# Altium PCB FMC_ADC_128CH_10B.PcbDoc (part 7 of 14)
Units mm, origin at the board's own origin, x right, y up, seen from the top; angles counter-clockwise.
Board outline 76.5 x 69 mm, 8 copper layers (Top Layer, Int1 (Sign), Int2 (GND), Int3 (Sign), Int4 (Sign), Int5 (GND), Int6 (Sign), Bottom Layer), stack 1.433 mm thick; 815 components, 661 nets, 3772 pads, 2072 vias.
Unrouted connection lines stored in the file: 135.
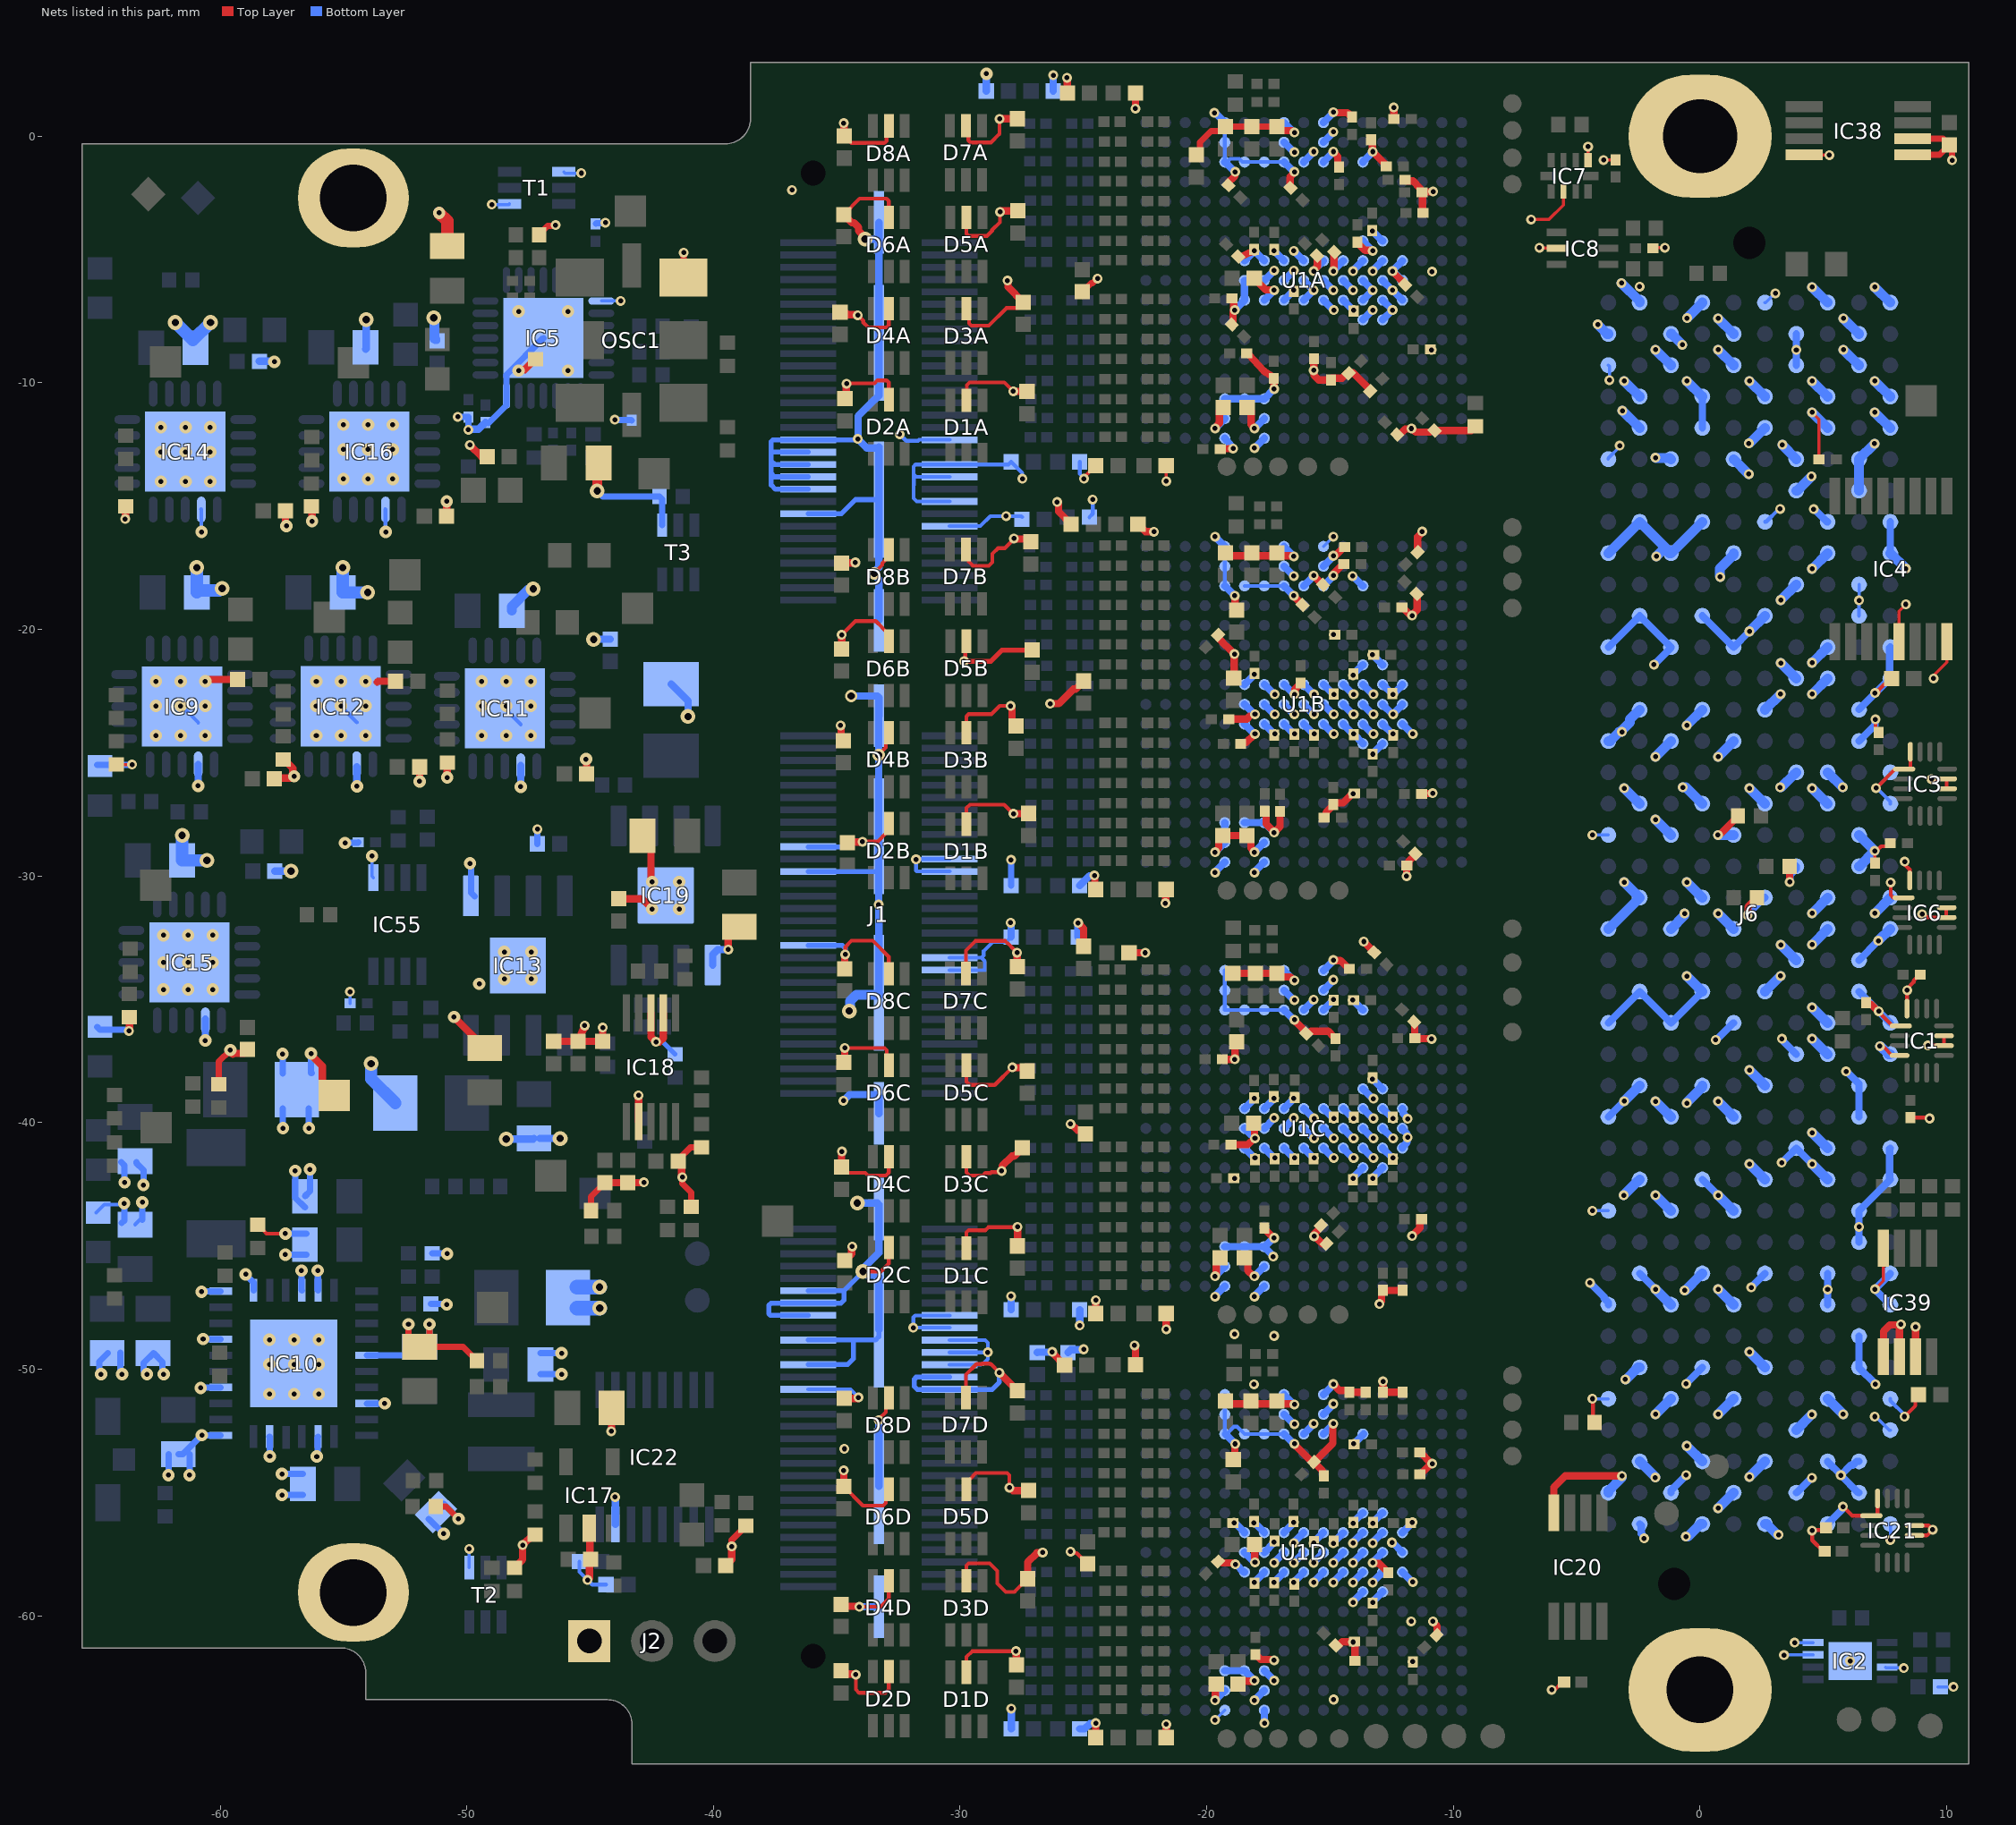
[diagram p13: the nets of this part, all layers, seen from the top]

## Via types
v1: diameter 0.4, hole 0.2, Top Layer to Bottom Layer, tented both sides, 1806 vias
v2: diameter 0.5, hole 0.2, Top Layer to Bottom Layer, tented both sides, 181 vias
v3: diameter 0.6, hole 0.3, Top Layer to Bottom Layer, tented both sides, 81 vias
v4: diameter 0.5, hole 0.3, Top Layer to Bottom Layer, tented both sides, 3 vias
v5: diameter 0.6, hole 0.2, Top Layer to Bottom Layer, tented both sides, 1 vias

## Nets (pads, with @x,y where several pads share a name; then routed paths per layer and width w, separated by ;. In a path a pad name is that pad's centre, name@x,y a point inside that pad or via, vN(x,y) a via of type N, cw(c..) or ccw(c..) an arc to the next point about the centre after c; other vN are vias at no path point) (continued)
GND: B1.1 B2.1 B3.1 B4.1 C1A.1 C1B.1 C1C.1 C1D.1 C2A.1 C2B.1 C2C.1 C2D.1 C3A.2 C3B.2 C3C.2 C3D.2 C4A.2 C4B.2 C4C.2 C4D.2 C6A.1 C6B.1 C6C.1 C6D.1 C7A.1 C7B.1 C7C.1 C7D.1 C8A.1 C8B.1 C8C.1 C8D.1 C10A.1 C10B.1 C10C.1 C10D.1 C11A.1 C11B.1 C11C.1 C11D.1 C12.1 C13.1 C14A.1 C14B.1 C14C.1 C14D.1 C15A.1 C15B.1 C15C.1 C15D.1 C16A.1 C16B.1 C16C.1 C16D.1 C17.1 C18A.1 C18B.1 C18C.1 C18D.1 C19.1 C20.1 C25A.1 C25B.1 C25C.1 C25D.1 C26A.2 C26B.2 C26C.2 C26D.2 C27A.2 C27B.2 C27C.2 C27D.2 C28.1 C29A.1 C29B.1 C29C.1 C29D.1 C30.1 C31A.1 C31B.1 C31C.1 C31D.1 C32A.1 C32B.1 C32C.1 C32D.1 C33A.1 C33B.1 C33C.1 C33D.1 C34A.1 C34B.1 C34C.1 C34D.1 C35A.1 C35B.1 C35C.1 C35D.1 C36A.1 C36B.1 C36C.1 C36D.1 C37A.1 C37B.1 C37C.1 C37D.1 C38A.1 C38B.1 C38C.1 C38D.1 C39A.1 C39B.1 C39C.1 C39D.1 C40A.1 C40B.1 C40C.1 C40D.1 C41A.1 C41B.1 C41C.1 C41D.1 C42A.1 C42B.1 C42C.1 C42D.1 C43A.1 C43B.1 C43C.1 C43D.1 C44A.1 C44B.1 C44C.1 C44D.1 C45A.1 C45B.1 C45C.1 C45D.1 C46A.1 C46B.1 C46C.1 C46D.1 C47A.1 C47B.1 C47C.1 C47D.1 C48A.1 C48B.1 C48C.1 C48D.1 C49A.1 C49B.1 C49C.1 C49D.1 C50A.1 C50B.1 C50C.1 C50D.1 C51A.1 C51B.1 C51C.1 C51D.1 C52A.1 C52B.1 C52C.1 C52D.1 C53A.1 C53B.1 C53C.1 C53D.1 C54A.1 C54B.1 C54C.1 C54D.1 C55A.1 C55B.1 C55C.1 C55D.1 C56A.1 C56B.1 C56C.1 C56D.1 C57A.2 C57B.2 C57C.2 C57D.2 C58A.2 C58B.2 C58C.2 C58D.2 C59A.2 C59B.2 C59C.2 C59D.2 C60A.2 C60B.2 C60C.2 C60D.2 C61A.2 C61B.2 C61C.2 C61D.2 C62A.2 C62B.2 C62C.2 C62D.2 C63.1 C64.2 C65.2 C66.2 C67.1 C68.2 C69A.2 C69B.2 C69C.2 C69D.2 C70A.2 C70B.2 C70C.2 C70D.2 C71A.2 C71B.2 C71C.2 C71D.2 C72A.2 C72B.2 C72C.2 C72D.2 C73A.2 C73B.2 C73C.2 C73D.2 C74A.2 C74B.2 C74C.2 C74D.2 C75.2 C76.1 C77.1 C78.2 C79.1 C80.1 C81.1 C82.2 C83.1 C84.1 C85.1 C86.1 C87.1 C88.2 C89.2 C90.1 C91.1 C92.1 C93.1 C94.1 C95.1 C96.2 C97.1 C98.1 C99.1 C100.1 C101.1 C102.2 C103.1 C104.2 C105.2 C106.1 C107.1 C108.1 C109.1 C110.2 C111.1 C112.1 C113.1 C114.1 C115.2 C116.1 C117.1 C118.2 C119.1 C120.2 C121.1 C122.2 C123.1 C124.2 C125.1 C126.2 C127.1 C128.2 C129.2 C148.2 C149.2 C150.2 C290.2 C291.2 C292.2 C293.2 C294.1 C295.2 D1A.2 D1B.2 D1C.2 D1D.2 D2A.2 D2B.2 D2C.2 D2D.2 D3A.2 D3B.2 D3C.2 D3D.2 D4A.2 D4B.2 D4C.2 D4D.2 D5A.2 D5B.2 D5C.2 D5D.2 D6A.2 D6B.2 D6C.2 D6D.2 D7A.2 D7B.2 D7C.2 D7D.2 D8A.2 D8B.2 D8C.2 D8D.2 IC1.1 IC1.4 IC1.10 IC1.11 IC1.16 IC2.3 IC2.4 IC2.7 IC2.9 IC3.1 IC3.10 IC3.11 IC3.16 IC4.5 IC4.8 IC5.1 IC5.14 IC5.29 IC6.1 IC6.10 IC6.11 IC6.16 IC7.1 IC7.7 IC8.2 IC9.12 IC9.21 IC10.2 IC10.5 IC10.7 IC10.10 IC10.13 IC10.16 IC10.17 IC10.20 IC10.21 IC10.27 IC10.30 IC10.33 IC11.12 IC11.21 IC12.12 IC12.21 IC13.1 IC13.9 IC14.12 IC14.21 IC15.12 IC15.21 IC16.12 IC16.21 IC17.2 IC18.2 IC18.3 IC18.7 IC19.1 IC19.9 IC20.4 IC21.1 IC21.10 IC21.11 IC21.16 IC22.15 IC38.4 IC38.5 IC38.6 IC39.4 IC39.5 IC39.6 IC39.7 IC55.1 J1.33 J1.34 J1.36 J1.37 J1.38 J1.39 J1.40 J1.42 J1.43 J1.46 J1.47 J1.80 J1.81 J1.83 J1.84 J1.96 J1.97 J1.99 J1.132 J1.134 J1.135 J1.136 J1.137 J1.139 J1.140 J1.141 J1.143 J1.144 J1.145 J1.147 J1.148 J1.181 J1.182 J1.183 J1.184 J1.185 J1.186 J1.187 J1.188 J1.189 J1.190 J1.191 J1.192 J2.1 J6.a1 J6.a4 J6.a5 J6.a8 J6.a9 J6.a12 J6.a13 J6.a16 J6.a17 J6.a20 J6.a21 J6.a24 J6.a25 J6.a28 J6.a29 J6.a32 J6.a33 J6.a36 J6.a37 J6.a40 J6.b2 J6.b3 J6.b6 J6.b7 J6.b10 J6.b11 J6.b14 J6.b15 J6.b18 J6.b19 J6.b22 J6.b23 J6.b26 J6.b27 J6.b30 J6.b31 J6.b34 J6.b35 J6.b38 J6.b39 J6.c1 J6.c4 J6.c5 J6.c8 J6.c9 J6.c12 J6.c13 J6.c16 J6.c17 J6.c20 J6.c21 J6.c24 J6.c25 J6.c28 J6.c29 J6.c32 J6.c33 J6.c36 J6.c38 J6.c40 J6.d2 J6.d3 J6.d6 J6.d7 J6.d10 J6.d13 J6.d16 J6.d19 J6.d22 J6.d25 J6.d28 J6.d37 J6.d39 J6.e1 J6.e4 J6.e5 J6.e8 J6.e11 J6.e14 J6.e17 J6.e20 J6.e23 J6.e26 J6.e29 J6.e32 J6.e35 J6.e38 J6.e40 J6.f2 J6.f3 J6.f6 J6.f9 J6.f12 J6.f15 J6.f18 J6.f21 J6.f24 J6.f27 J6.f30 J6.f33 J6.f36 J6.f39 J6.g1 J6.g4 J6.g5 J6.g8 J6.g11 J6.g14 J6.g17 J6.g20 J6.g23 J6.g26 J6.g29 J6.g32 J6.g35 J6.g38 J6.g40 J6.h2 J6.h3 J6.h6 J6.h9 J6.h12 J6.h15 J6.h18 J6.h21 J6.h24 J6.h27 J6.h30 J6.h33 J6.h36 J6.h39 J6.j1 J6.j4 J6.j5 J6.j8 J6.j11 J6.j14 J6.j17 J6.j20 J6.j23 J6.j26 J6.j29 J6.j32 J6.j35 J6.j38 J6.j40 J6.k2 J6.k3 J6.k6 J6.k9 J6.k12 J6.k15 J6.k18 J6.k21 J6.k24 J6.k27 J6.k30 J6.k33 J6.k36 J6.k39 LD3.1 LD4.1 LD5.1 OSC1.3 R5.1 R12.1 R13.1 R89.1 R92.1 R94.1 R98.1 R99.1 R103.1 R106.1 R108.1 R110.1 R119.1 R123.1 R131.1 R133.1 R134.1 R135.1 R136.1 R137.1 R139.1 R143.1 R145.1 R162.1 R163.1 R164.1 T1.1 T1.4 T2.4 T3.4 TP7.1 U1A.E1 U1A.E2 U1A.E3 U1A.E15 U1A.E16 U1A.E17 U1A.F3 U1A.F8 U1A.F9 U1A.F10 U1A.F15 U1A.G3 U1A.G8 U1A.G9 U1A.G10 U1A.G15 U1A.G16 U1A.G17 U1A.H1 U1A.H2 U1A.H3 U1A.H8 U1A.H9 U1A.H10 U1A.J3 U1A.J8 U1A.J9 U1A.J10 U1A.K1 U1A.K2 U1A.K3 U1A.K8 U1A.K9 U1A.K10 U1A.L8 U1A.L9 U1A.L10 U1A.M3 U1A.M7 U1A.M8 U1A.M9 U1A.M10 U1A.M11 U1A.N7 U1A.N8 U1A.N9 U1A.N10 U1A.N11 U1A.P8 U1A.P9 U1A.P10 U1B.E1 U1B.E2 U1B.E3 U1B.E15 U1B.E16 U1B.E17 U1B.F3 U1B.F8 U1B.F9 U1B.F10 U1B.F15 U1B.G3 U1B.G8 U1B.G9 U1B.G10 U1B.G15 U1B.G16 U1B.G17 U1B.H1 U1B.H2 U1B.H3 U1B.H8 U1B.H9 U1B.H10 U1B.J3 U1B.J8 U1B.J9 U1B.J10 U1B.K1 U1B.K2 U1B.K3 U1B.K8 U1B.K9 U1B.K10 U1B.L8 U1B.L9 U1B.L10 U1B.M3 U1B.M7 U1B.M8 U1B.M9 U1B.M10 U1B.M11 U1B.N7 U1B.N8 U1B.N9 U1B.N10 U1B.N11 U1B.P8 U1B.P9 U1B.P10 U1C.E1 U1C.E2 U1C.E3 U1C.E15 U1C.E16 U1C.E17 U1C.F3 U1C.F8 U1C.F9 U1C.F10 U1C.F15 U1C.G3 U1C.G8 U1C.G9 U1C.G10 U1C.G15 U1C.G16 U1C.G17 U1C.H1 U1C.H2 U1C.H3 U1C.H8 U1C.H9 U1C.H10 U1C.J3 U1C.J8 U1C.J9 U1C.J10 U1C.K1 U1C.K2 U1C.K3 U1C.K8 U1C.K9 U1C.K10 U1C.L8 U1C.L9 U1C.L10 U1C.M3 U1C.M7 U1C.M8 U1C.M9 U1C.M10 U1C.M11 U1C.N7 U1C.N8 U1C.N9 U1C.N10 U1C.N11 U1C.P8 U1C.P9 U1C.P10 U1D.E1 U1D.E2 U1D.E3 U1D.E15 U1D.E16 U1D.E17 U1D.F3 U1D.F8 U1D.F9 U1D.F10 U1D.F15 U1D.G3 U1D.G8 U1D.G9 U1D.G10 U1D.G15 U1D.G16 U1D.G17 U1D.H1 U1D.H2 U1D.H3 U1D.H8 U1D.H9 U1D.H10 U1D.J3 U1D.J8 U1D.J9 U1D.J10 U1D.K1 U1D.K2 U1D.K3 U1D.K8 U1D.K9 U1D.K10 U1D.L8 U1D.L9 U1D.L10 U1D.M3 U1D.M7 U1D.M8 U1D.M9 U1D.M10 U1D.M11 U1D.N7 U1D.N8 U1D.N9 U1D.N10 U1D.N11 U1D.P8 U1D.P9 U1D.P10 | length 816.3
  Top Layer w0.127: R89.1@-64.208,-25.474 v1(-63.571,-25.474) ; v1(-21.645,-13.99) C73A.2@-21.645,-13.353 ; C53D.1@-12.864,-50.932 -12.851,-50.919 C53D.1@-12.851,-50.932 ; v1(-6.851,-3.379) -6.131,-3.379 -5.538,-2.787 IC7.7@-5.538,-2.243 ; v1(-6.512,-4.52) -6.501,-4.531 -5.828,-4.531 IC8.2@-5.817,-4.543 ; v1(-4.541,-0.423) -4.54,-0.424 -4.54,-0.967 IC7.1@-4.538,-0.968 ; v1(-3.908,-0.965) -3.433,-0.965 C68.2@-3.421,-0.953 ; C67.1@-1.916,-4.543 -1.892,-4.52 v1(-1.421,-4.52) ; IC38.4@4.218,-0.748 4.234,-0.765 v1(5.245,-0.765) ; v1(4.54,-11.197) 4.825,-11.482 C290.2@4.825,-13.097 ; v1(7.08,-28.98) 7.08,-29.467 C65.2@7.092,-29.479 ; v1(7.092,-46.757) 7.437,-46.413 IC39.4@7.437,-45.087 ; IC4.5@8.063,-20.489 8.063,-19.262 v1(8.346,-18.98) ; v1@8.087,-48.308 8.141,-48.255 v1(8.141,-48.181) ; v1(9.466,-21.989) 9.466,-21.878 10.013,-21.33 IC4.8@10.013,-20.489
  Top Layer w0.152: R106.1@-58.474,-44.147 -58.12,-44.5 v2(-57.353,-44.5) ; C61C.2@-34.804,-41.802 -34.57,-42.036 -33.838,-42.036 -33.734,-42.14 -33.002,-42.14 -32.89,-42.028 D4C.2@-32.89,-41.38 ; v1(-34.797,-20.216) -34.242,-19.661 -33.416,-19.661 -33.153,-19.923 -33.153,-19.937 -32.89,-20.2 D6B.2@-32.89,-20.475 ; C59D.2@-34.718,-54.755 -33.945,-55.528 -33.119,-55.528 -33.013,-55.422 -33.013,-54.991 D6D.2@-32.89,-54.867 ; C59A.2@-34.718,-3.175 -34.074,-2.53 -32.983,-2.53 -32.89,-2.624 D6A.2@-32.89,-3.287 ; C58A.2@-34.691,0.013 -34.406,-0.272 -33.068,-0.272 -32.979,-0.183 -32.979,0.333 D8A.2@-32.89,0.422 ; v1(-34.677,-36.971) -33.061,-36.971 -32.972,-37.06 -32.972,-37.589 D6C.2@-32.89,-37.671 ; v1(-34.652,-33.175) -34.652,-32.873 -34.404,-32.624 -33.54,-32.624 -32.89,-33.274 D8C.2@-32.89,-33.963 ; v1(-34.599,-10.029) -34.587,-10.017 -33.469,-10.017 -33.349,-9.898 -32.979,-9.898 -32.89,-9.987 D2A.2@-32.89,-10.678 ; v1(-34.23,-62.383) -34.23,-62.985 -34.091,-63.123 -33.033,-63.123 -32.89,-62.98 D2D.2@-32.89,-62.258 ; v1(-34.147,-7.255) -33.926,-7.476 -33.926,-7.547 -33.719,-7.754 -32.979,-7.754 -32.89,-7.665 D4A.2@-32.89,-6.995 ; v1(-34.083,-59.633) -33.22,-59.633 -32.89,-59.303 D4D.2@-32.89,-58.575 ; v1(-33.956,-28.603) -33.337,-28.603 -33.153,-28.419 -33.153,-28.406 -32.89,-28.142 D2B.2@-32.89,-27.867 ; v3(-33.939,-46.035) -33.209,-46.035 -32.89,-45.715 D2C.2@-32.89,-45.063 ; v4(-33.483,-17.727) -33.483,-17.709 -33.153,-17.38 -33.153,-17.306 -32.89,-17.042 D8B.2@-32.89,-16.767 ; v4(-33.304,-25.095) -33.304,-25.069 -33.013,-24.779 -33.013,-24.308 D4B.2@-32.89,-24.184 ; v1(-33.293,-52.063) -33.293,-52.016 -33.013,-51.736 -33.013,-51.282 D8D.2@-32.89,-51.159 ; v1(-29.84,-21.286) -29.793,-21.238 -29.793,-20.528 D5B.2@-29.74,-20.475 ; D7D.2@-29.765,-51.151 -29.765,-50.216 -29.337,-49.787 -29.132,-49.787 -29.114,-49.77 -28.811,-49.77 -28.793,-49.787 -28.753,-49.787 v1(-28.404,-50.136) ; D7C.2@-29.765,-33.955 -29.765,-33.018 -29.379,-32.632 -28.163,-32.632 -28.049,-32.746 -28.044,-32.746 -27.83,-32.961 -27.83,-32.965 v1(-27.687,-33.107) ; D7B.2@-29.765,-16.759 -29.641,-16.883 -29.641,-17.258 -29.479,-17.42 -28.838,-17.42 -28.689,-17.271 -28.689,-16.927 -28.463,-16.701 -28.181,-16.701 -27.819,-16.34 v1(-27.819,-16.31) ; D7A.2@-29.765,0.429 -29.665,0.329 -29.665,-0.163 -29.576,-0.252 -28.747,-0.252 -28.398,0.097 v1(-28.398,0.709) ; D1D.2@-29.74,-62.284 -29.74,-61.664 -29.512,-61.436 -27.739,-61.436 v1(-27.733,-61.431) ; D3D.2@-29.74,-58.575 -29.74,-57.956 -29.651,-57.867 -28.8,-57.867 -28.495,-58.173 -28.495,-58.686 -28.151,-59.03 -27.797,-59.03 C70D.2@-27.262,-58.495 ; D5D.2@-29.74,-54.867 -29.74,-54.592 -29.476,-54.328 -29.476,-54.315 -29.367,-54.206 -28.091,-54.206 -28.002,-54.295 v1(-28.002,-54.801) ; D1C.2@-29.74,-45.088 -29.74,-44.451 -29.651,-44.362 -28.975,-44.362 -28.853,-44.241 -27.686,-44.241 v1(-27.67,-44.225) ; D3C.2@-29.74,-41.38 -29.74,-42.02 -29.62,-42.14 -29.076,-42.14 -28.976,-42.041 -28.766,-42.041 -28.731,-42.005 -28.36,-42.005 v1(-28.312,-41.958) ; D5C.2@-29.74,-37.671 -29.74,-38.34 -29.608,-38.471 -28.592,-38.471 v1(-27.878,-37.757) ; D1B.2@-29.74,-27.892 -29.74,-27.238 -29.605,-27.102 -28.213,-27.102 v1(-27.839,-27.476) ; D3B.2@-29.74,-24.184 -29.74,-23.523 -29.651,-23.434 -28.729,-23.434 -28.395,-23.1 v1(-27.951,-23.1) ; D1A.2@-29.74,-10.704 -29.731,-10.695 -29.731,-10.09 -29.619,-9.978 -28.553,-9.978 -28.209,-9.978 v1(-27.842,-10.344) ; D3A.2@-29.74,-6.995 -29.639,-7.096 -29.639,-7.588 -29.55,-7.677 -28.833,-7.677 -28.122,-6.965 -27.667,-6.965 -27.437,-6.735 C70A.2@-27.433,-6.731 ; D5A.2@-29.74,-3.287 -29.74,-3.952 -29.651,-4.041 -28.906,-4.041 -28.7,-3.835 -28.7,-3.799 -28.389,-3.489 -28.389,-3.079 v1(-28.378,-3.068) ; v1@-25.526,-57.421 -25.492,-57.455 -25.272,-57.455 C14D.1@-24.833,-57.894 ; v1@-24.974,-13.916 v1(-24.974,-13.89) -24.974,-13.827 C4A.2@-24.5,-13.353 ; v1(-6.017,-62.997) -5.895,-62.997 -5.593,-62.696 -5.55,-62.696 C124.2@-5.512,-62.658 ; v1(-4.364,-51.194) -4.341,-51.218 -4.341,-52.089 R145.1@-4.281,-52.149 ; C128.2@5.052,-57.381 4.993,-57.381 4.546,-56.934 v1(4.546,-56.54) 4.566,-56.52 5.009,-56.52 C129.2@5.106,-56.424 ; v1(5.798,-55.568) 6.169,-55.938 IC21.1@6.947,-55.938 7.188,-55.938 7.197,-55.929 IC21.16@7.197,-55.238 ; v1(7.08,-28.98) 7.147,-28.98 7.339,-28.788 7.59,-28.788 C293.2@7.713,-28.665 ; v1(7.113,-23.643) 7.113,-24.046 C66.2@7.242,-24.174 ; v1(7.133,-26.434) 7.141,-26.434 7.915,-25.66 IC3.1@8.273,-25.66 8.528,-25.66 8.528,-25.274 8.523,-25.269 IC3.16@8.523,-24.96 ; v1(7.242,-35.482) 7.242,-35.514 7.803,-36.076 IC1.1@8.141,-36.076 ; v1@7.242,-22.573 7.242,-22.452 7.476,-22.218 7.529,-22.218 C63.1@7.763,-21.984 ; v1(7.293,-36.895) 7.341,-36.943 7.453,-36.943 7.786,-37.276 IC1.4@8.091,-37.276 ; v1(7.728,-30.258) 7.728,-30.766 7.832,-30.87 8.241,-30.87 IC6.1@8.25,-30.879 ; v1(8.291,-51.92) 8.732,-51.478 8.732,-51.158 C150.2@8.862,-51.029 ; v1(8.294,-29.414) 8.294,-29.534 8.5,-29.74 IC6.16@8.5,-30.179 ; IC1.16@8.391,-35.376 8.395,-35.372 8.395,-34.634 v1(8.399,-34.63) 8.399,-34.563 8.662,-34.3 8.662,-34.244 8.902,-34.004 C64.2@8.927,-34.004 ; C291.2@8.523,-39.797 9.267,-39.797 v1(9.3,-39.83) ; IC21.10@8.697,-56.738 9.194,-56.738 v1(9.429,-56.503) 9.264,-56.338 IC21.11@8.697,-56.338 ; v1(9.004,-31.545) 9.071,-31.545 9.19,-31.664 9.367,-31.664 9.381,-31.679 IC6.10@10,-31.679 ; v1(9.239,-36.867) 9.244,-36.871 9.886,-36.871 IC1.10@9.891,-36.876 IC1.11@9.891,-36.476 ; v1(9.387,-26.067) 9.394,-26.06 IC3.11@10.001,-26.06 ; IC6.10@9.976,-31.679 9.976,-31.279 IC6.11@10,-31.279 ; IC3.10@10.023,-26.46 10.001,-26.46 IC3.11@10.001,-26.06 ; IC3.11@10.023,-26.06 IC3.11@10.001,-26.06
  Top Layer w0.2: v1(-29.84,-21.286) -28.749,-21.286 -28.295,-20.831 C57B.2@-27.071,-20.831
  Top Layer w0.254: R134.1@-60.053,-38.438 -60.053,-37.525 v2(-59.587,-37.058) ; v2(-52.364,-48.177) -52.364,-48.688 -51.966,-49.086 C79.1@-51.911,-49.086 C79.1@-51.909,-49.086 ; v2(-51.511,-48.174) -51.511,-48.688 C79.1@-51.909,-49.086 ; R139.1@-51.256,-55.558 -50.842,-55.558 v2(-50.333,-56.067) ; R133.1@-49.584,-49.649 -50.147,-49.086 C79.1@-51.909,-49.086 ; R13.1@-47.076,-4.003 -47.076,-3.983 -46.723,-3.631 -46.427,-3.631 v1(-46.399,-3.603) ; R131.1@-44.96,-43.567 -44.96,-42.989 C116.1@-44.403,-42.432 ; C20.1@-44.71,-13.298 C20.1@-44.661,-13.249 -44.661,-13.074 C20.1@-44.263,-12.676 ; C114.1@-41.319,-41.564 C114.1@-41.428,-41.564 -41.428,-41.496 -40.928,-40.996 R137.1@-40.479,-40.996 ; v1(-41.261,-42.212) -41.261,-42.468 -40.893,-42.835 R136.1@-40.893,-43.421 ; OSC1.3@-41.214,-5.826 -41.2,-5.813 v1(-41.2,-4.714) ; v1(-39.258,-57.184) -39.258,-56.927 R135.1@-38.684,-56.353 ; C14A.1@-25.043,-6.305 -24.69,-5.952 -24.635,-5.952 -24.453,-5.77 v1(-24.428,-5.77) ; C35A.1@-20.423,-0.751 -20.275,-0.603 -20.275,-0.248 -19.818,0.208 -19.425,0.208 C34A.1@-19.242,0.391 C15A.1@-18.167,0.391 C33A.1@-17.163,0.391 ; IC38.5@8.618,-0.748 9.707,-0.748 C148.2@10.108,-0.348 ; IC38.6@8.618,-0.098 9.859,-0.098 C148.2@10.108,-0.348 ; v1(10.216,-0.968) 10.216,-0.456 C148.2@10.108,-0.348